# Altium PCB motherboard.PcbDoc (part 1 of 2) (continued)
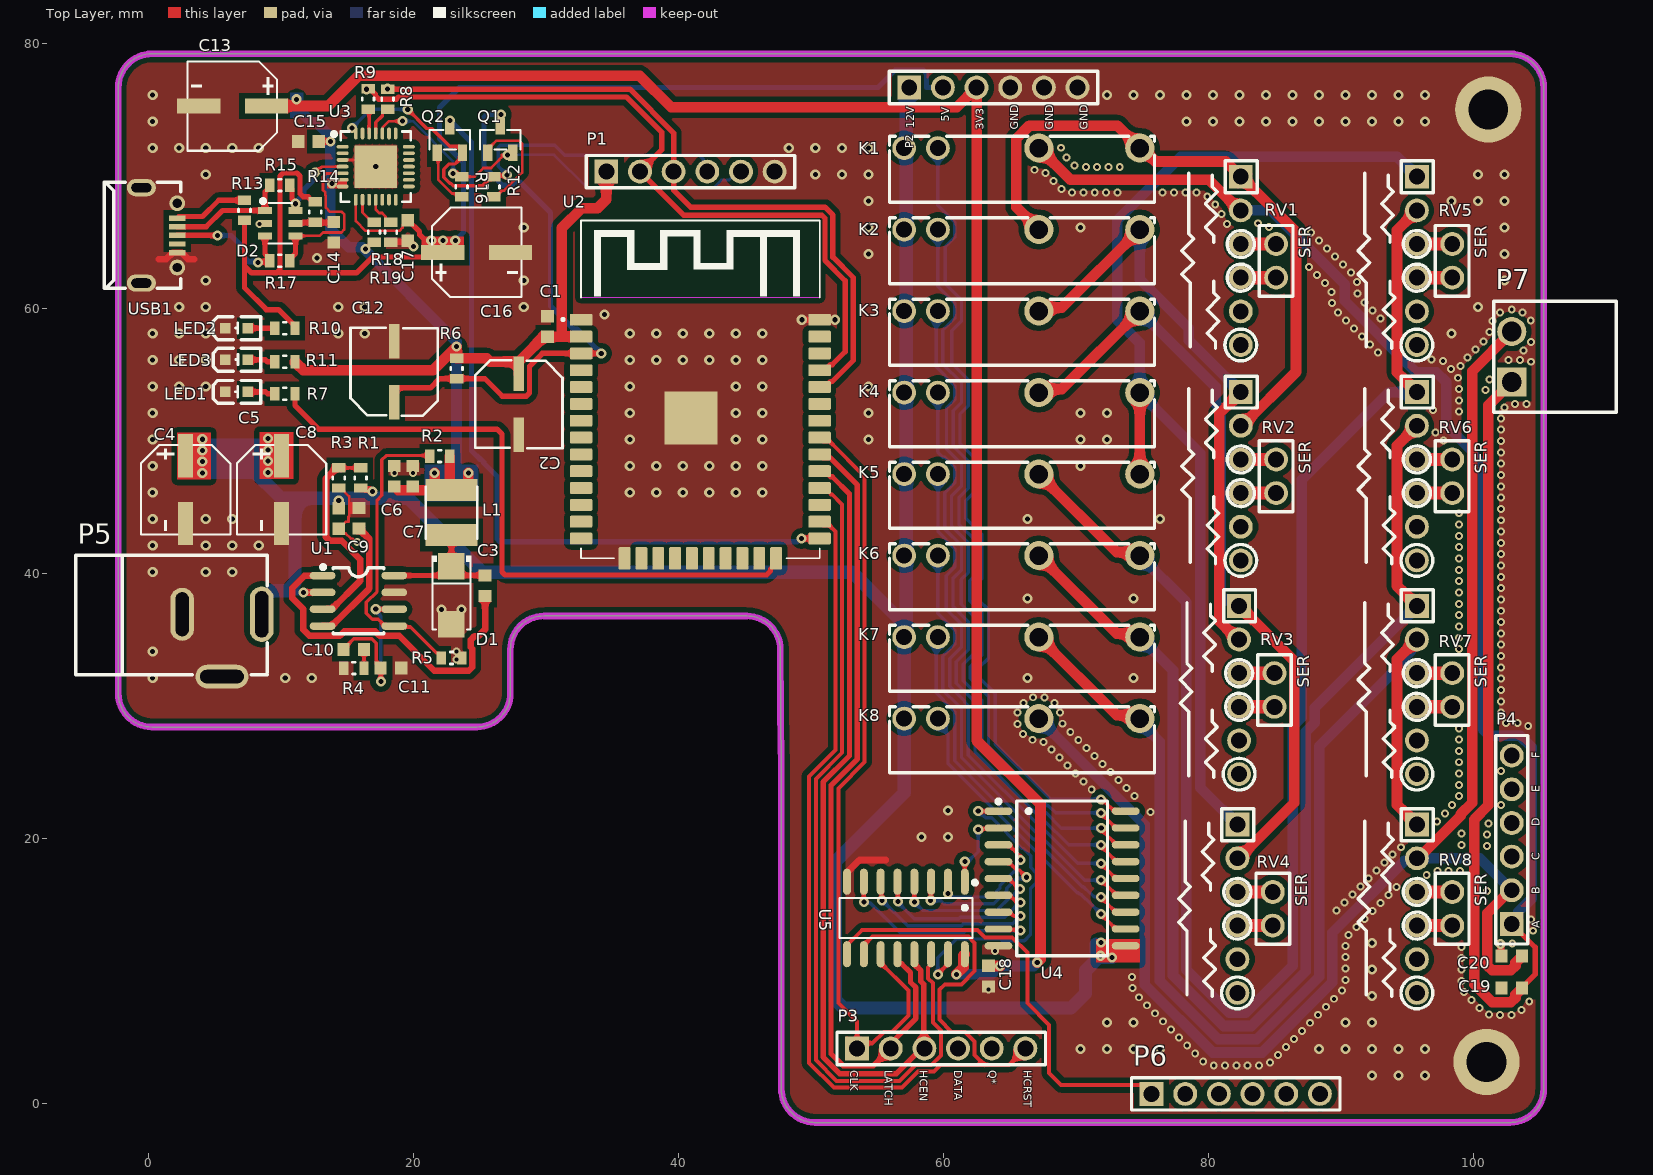
[diagram p0: Top Layer view]
## Part data (continued)
C12: library part "CAP 22UF 63V SMD", "CAP ALUM 22UF 20% 25V SMD", Capacitance=10uF, Case/Package=SMD/SMT, Dielectric Material=Aluminium, Leakage Current=3uA, Manufacturer=Nichicon, Manufacturer Part Number=UWX1E220MCL1GB, Max Operating Temperature=85°C, Min Operating Temperature=-40°C, Package Quantity=1000, Ripple Current=42mA, Supplier Part Number 1=493-2109-1-ND, Tolerance=20%, Voltage=25V, Category="Aluminum Electrolytic Capacitors", ComponentLink1Description=https://datasheet.ciiva.com/96/e-wx-96336.pdf?src-supplier=Digi-Key, ComponentLink1URL=https://datasheet.ciiva.com/96/e-wx-96336.pdf?src-supplier=Digi-Key, ComponentLink2Description=https://datasheet.ciiva.com/16352/e-wx-16352999.pdf?src-supplier=Future+Electronics, ComponentLink2URL=https://datasheet.ciiva.com/16352/e-wx-16352999.pdf?src-supplier=Future+Electronics, ComponentLink3Description=https://datasheet.ciiva.com/28640/e-wx-28640455.pdf?src-supplier=Element14, ComponentLink3URL=https://datasheet.ciiva.com/28640/e-wx-28640455.pdf?src-supplier=Element14, ComponentLink4Description=https://datasheet.ciiva.com/17529/e-wx-17529096.pdf?src-supplier=Avnet+Europe, ComponentLink4URL=https://datasheet.ciiva.com/17529/e-wx-17529096.pdf?src-supplier=Avnet+Europe, ComponentLink5Description=https://datasheet.ciiva.com/7851/59577-7851769.pdf?src-supplier=Element14, ComponentLink5URL=https://datasheet.ciiva.com/7851/59577-7851769.pdf?src-supplier=Element14, ComponentLink6Description=https://datasheet.ciiva.com/11687/e-wx-11687963.pdf?src-supplier=Avnet, ComponentLink6URL=https://datasheet.ciiva.com/11687/e-wx-11687963.pdf?src-supplier=Avnet, ComponentLink7Description=https://datasheet.ciiva.com/96/e-wx-96334.pdf?src-supplier=Digi-Key, ComponentLink7URL=https://datasheet.ciiva.com/96/e-wx-96334.pdf?src-supplier=Digi-Key, ComponentLink8Description=https://datasheet.ciiva.com/5361/e-wx-11809-5361166.pdf?src-supplier=Mouser, ComponentLink8URL=https://datasheet.ciiva.com/5361/e-wx-11809-5361166.pdf?src-supplier=Mouser, ComponentLink9Description=https://datasheet.ciiva.com/96/e-wx-96335.pdf?src-supplier=Digi-Key, ComponentLink9URL=https://datasheet.ciiva.com/96/e-wx-96335.pdf?src-supplier=Digi-Key, Construction=Cylindrical, Contact Plating=Tin, Diameter=6.3mm, Dissipation Factor=0.14%, Height=5.4mm, Height - Seated (Max)=0.213inch, Lead Free="Lead Free", Lead Pitch=2.2mm, Length=5.4mm, Life (Hours)=2000Hour, Mount="Surface Mount", Packaging="Tape and Reel", Polarity=Polar, Pricing 1="1=0,36000, 10=0,25200, 50=0,17620, 100=0,15110, 500=0,11334 (USD)", Radiation Hardening=No, REACH SVHC="No SVHC", Ripple Current (AC)=42mA, RoHS=Yes, RoHS Compliant=Yes, Series=WX, Stock 1=5009, Supplier 1=Digi-Key, Termination=SMD/SMT, Voltage Rating=25V, Voltage Rating (DC)=25V, Weight=0.01lb, Width=0.25inch
C13 C16: library part "CAP POL SMD", "CAP ALUM 22UF 20% 25V SMD", Capacitance=10uF, Case/Package=SMD/SMT, Dielectric Material=Aluminium, Leakage Current=3uA, Manufacturer=Nichicon, Manufacturer Part Number=UWX1E220MCL1GB, Max Operating Temperature=85°C, Min Operating Temperature=-40°C, Package Quantity=1000, Ripple Current=42mA, Supplier Part Number 1=493-2109-1-ND, Tolerance=20%, Voltage=25V, Category="Aluminum Electrolytic Capacitors", ComponentLink1Description=https://datasheet.ciiva.com/96/e-wx-96336.pdf?src-supplier=Digi-Key, ComponentLink1URL=https://datasheet.ciiva.com/96/e-wx-96336.pdf?src-supplier=Digi-Key, ComponentLink2Description=https://datasheet.ciiva.com/16352/e-wx-16352999.pdf?src-supplier=Future+Electronics, ComponentLink2URL=https://datasheet.ciiva.com/16352/e-wx-16352999.pdf?src-supplier=Future+Electronics, ComponentLink3Description=https://datasheet.ciiva.com/28640/e-wx-28640455.pdf?src-supplier=Element14, ComponentLink3URL=https://datasheet.ciiva.com/28640/e-wx-28640455.pdf?src-supplier=Element14, ComponentLink4Description=https://datasheet.ciiva.com/17529/e-wx-17529096.pdf?src-supplier=Avnet+Europe, ComponentLink4URL=https://datasheet.ciiva.com/17529/e-wx-17529096.pdf?src-supplier=Avnet+Europe, ComponentLink5Description=https://datasheet.ciiva.com/7851/59577-7851769.pdf?src-supplier=Element14, ComponentLink5URL=https://datasheet.ciiva.com/7851/59577-7851769.pdf?src-supplier=Element14, ComponentLink6Description=https://datasheet.ciiva.com/11687/e-wx-11687963.pdf?src-supplier=Avnet, ComponentLink6URL=https://datasheet.ciiva.com/11687/e-wx-11687963.pdf?src-supplier=Avnet, ComponentLink7Description=https://datasheet.ciiva.com/96/e-wx-96334.pdf?src-supplier=Digi-Key, ComponentLink7URL=https://datasheet.ciiva.com/96/e-wx-96334.pdf?src-supplier=Digi-Key, ComponentLink8Description=https://datasheet.ciiva.com/5361/e-wx-11809-5361166.pdf?src-supplier=Mouser, ComponentLink8URL=https://datasheet.ciiva.com/5361/e-wx-11809-5361166.pdf?src-supplier=Mouser, ComponentLink9Description=https://datasheet.ciiva.com/96/e-wx-96335.pdf?src-supplier=Digi-Key, ComponentLink9URL=https://datasheet.ciiva.com/96/e-wx-96335.pdf?src-supplier=Digi-Key, Construction=Cylindrical, Contact Plating=Tin, Diameter=6.3mm, Dissipation Factor=0.14%, Height=5.4mm, Height - Seated (Max)=0.213inch, Lead Free="Lead Free", Lead Pitch=2.2mm, Length=5.4mm, Life (Hours)=2000Hour, Mount="Surface Mount", Packaging="Tape and Reel", Polarity=Polar, Pricing 1="1=0,36000, 10=0,25200, 50=0,17620, 100=0,15110, 500=0,11334 (USD)", Radiation Hardening=No, REACH SVHC="No SVHC", Ripple Current (AC)=42mA, RoHS=Yes, RoHS Compliant=Yes, Series=WX, Stock 1=5009, Supplier 1=Digi-Key, Termination=SMD/SMT, Voltage Rating (DC)=25V, Weight=0.01lb, Width=0.25inch
D1: BOM_JLCPCB Part Class="Extended Part", BOM_Manufacturer=MDD, BOM_Manufacturer Part=B340A, BOM_Supplier=LCSC, BOM_Supplier Part=C64982, spicePre=D, spiceSymbolName=B340A
D2: BOM_JLCPCB Part Class="Extended Part", BOM_Manufacturer="TECH PUBLIC(台舟电子)", BOM_Manufacturer Part=USBLC6-2SC6, BOM_Supplier=LCSC, BOM_Supplier Part=C2827654, Contributor=LCSC, spicePre=D, spiceSymbolName=USBLC6-2SC6_C2827654
K1 K2 K3 K4 K5 K6 K7 K8: BOM_JLCPCB Part Class="Extended Part", BOM_Manufacturer="Xiamen Hongfa Electroacoustic", BOM_Manufacturer Part=HF49FD-012-1H12, BOM_Supplier=LCSC, BOM_Supplier Part=C117488, Contributor=LCSC, spicePre=K, spiceSymbolName=HF49FD-012-1H12
L1: library part L, "C393989"
LED1 LED2 LED3: BOM_JLCPCB Part Class="Extended Part", BOM_Manufacturer="Bright LED Elec", BOM_Manufacturer Part=BL-HJC36A-AV-TRB, BOM_Supplier=LCSC, BOM_Supplier Part=C138546, Contributor=LCSC, spicePre=L, spiceSymbolName=BL-HJC36A-AV-TRB
P1 P2 P3 P4 P6: library part "Header 6", "Header, 6-Pin", LatestRevisionDate=17-Jul-2002, LatestRevisionNote="Re-released for DXP Platform.", Publisher="Altium Limited", System=Connector
P5: BOM_JLCPCB Part Class="Extended Part", BOM_Manufacturer="XKB Enterprise", BOM_Manufacturer Part=DC-005-5A-2.0, BOM_Supplier=LCSC, BOM_Supplier Part=C381116, Contributor=LCSC, spicePre=D, spiceSymbolName=DC-005-5A-2.0
P7: "C8387", BOM_JLCPCB Part Class="Extended Part", BOM_Manufacturer=ReliaPro, BOM_Manufacturer Part=WJ15EDGRC-3.81-2P, BOM_Supplier=LCSC, BOM_Supplier Part=C8387, spicePre=X, spiceSymbolName=WJ15EDGRC-3.81-2P
Q1 Q2: library part SS8050_C2150, BOM_JLCPCB Part Class="Basic Part", BOM_Manufacturer=CJ, BOM_Manufacturer Part=SS8050, BOM_Supplier=LCSC, BOM_Supplier Part=C2150, spicePre=Q, spiceSymbolName=SS8050_C2150
R1: "Res Thick Film 0603 1M Ohm 1% 0.1W(1/10W) ±100ppm/C Pad SMD T/R", Case Code (Imperial)=0603, Manufacturer="TE Connectivity", Manufacturer Part Number=CRG0603F1M0, Max Operating Temperature=125°C, Max Power Dissipation=100mW, Min Operating Temperature=-55°C, Number of Resistors=1, Package Quantity=5000, Resistance=332k, Resistor Type="Thick Film", Supplier Part Number 1=A121559CT-ND, Temperature Coefficient=100ppm/°C, Tolerance=1%, Voltage Rating=50V, Case/Package=0603, Category="Chip SMD Resistors", Construction=Rectangular, Depth=0.8mm, ELV=Compliant, Height=0.45mm, Lead Free="Lead Free", Length=1.6mm, Military Standard=Not, Mount="Surface Mount", Number of Terminations=2, Packaging="Tape and Reel", Power Rating=100mW, Pricing 1="1=0,10000, 10=0,02800, 100=0,01130, 1000=0,00506, 2500=0,00439 (USD)", Radiation Hardening=No, RoHS=Yes, RoHS Compliant=Yes, Series="CRG, Neohm", Stock 1=32347, Supplier 1=Digi-Key, Technology="THICK FILM", Termination=Solder, Weight=7.1E-05oz, Width=0.8mm
R2: "Res Thick Film 0603 1M Ohm 1% 0.1W(1/10W) ±100ppm/C Pad SMD T/R", Case Code (Imperial)=0603, Manufacturer="TE Connectivity", Manufacturer Part Number=CRG0603F1M0, Max Operating Temperature=125°C, Max Power Dissipation=100mW, Min Operating Temperature=-55°C, Number of Resistors=1, Package Quantity=5000, Resistance=10.2k, Resistor Type="Thick Film", Supplier Part Number 1=A121559CT-ND, Temperature Coefficient=100ppm/°C, Tolerance=1%, Voltage Rating=50V, Case/Package=0603, Category="Chip SMD Resistors", Construction=Rectangular, Depth=0.8mm, ELV=Compliant, Height=0.45mm, Lead Free="Lead Free", Length=1.6mm, Military Standard=Not, Mount="Surface Mount", Number of Terminations=2, Packaging="Tape and Reel", Power Rating=100mW, Pricing 1="1=0,10000, 10=0,02800, 100=0,01130, 1000=0,00506, 2500=0,00439 (USD)", Radiation Hardening=No, RoHS=Yes, RoHS Compliant=Yes, Series="CRG, Neohm", Stock 1=32347, Supplier 1=Digi-Key, Technology="THICK FILM", Termination=Solder, Weight=7.1E-05oz, Width=0.8mm
R3: "Res Thick Film 0603 1M Ohm 1% 0.1W(1/10W) ±100ppm/C Pad SMD T/R", Case Code (Imperial)=0603, Manufacturer="TE Connectivity", Manufacturer Part Number=CRG0603F1M0, Max Operating Temperature=125°C, Max Power Dissipation=100mW, Min Operating Temperature=-55°C, Number of Resistors=1, Package Quantity=5000, Resistance=68.1k, Resistor Type="Thick Film", Supplier Part Number 1=A121559CT-ND, Temperature Coefficient=100ppm/°C, Tolerance=1%, Voltage Rating=50V, Case/Package=0603, Category="Chip SMD Resistors", Construction=Rectangular, Depth=0.8mm, ELV=Compliant, Height=0.45mm, Lead Free="Lead Free", Length=1.6mm, Military Standard=Not, Mount="Surface Mount", Number of Terminations=2, Packaging="Tape and Reel", Power Rating=100mW, Pricing 1="1=0,10000, 10=0,02800, 100=0,01130, 1000=0,00506, 2500=0,00439 (USD)", Radiation Hardening=No, RoHS=Yes, RoHS Compliant=Yes, Series="CRG, Neohm", Stock 1=32347, Supplier 1=Digi-Key, Technology="THICK FILM", Termination=Solder, Weight=7.1E-05oz, Width=0.8mm
R4: "Res Thick Film 0603 1M Ohm 1% 0.1W(1/10W) ±100ppm/C Pad SMD T/R", Case Code (Imperial)=0603, Manufacturer="TE Connectivity", Manufacturer Part Number=CRG0603F1M0, Max Operating Temperature=125°C, Max Power Dissipation=100mW, Min Operating Temperature=-55°C, Number of Resistors=1, Package Quantity=5000, Resistance=29.4k, Resistor Type="Thick Film", Supplier Part Number 1=A121559CT-ND, Temperature Coefficient=100ppm/°C, Tolerance=1%, Voltage Rating=50V, Case/Package=0603, Category="Chip SMD Resistors", Construction=Rectangular, Depth=0.8mm, ELV=Compliant, Height=0.45mm, Lead Free="Lead Free", Length=1.6mm, Military Standard=Not, Mount="Surface Mount", Number of Terminations=2, Packaging="Tape and Reel", Power Rating=100mW, Pricing 1="1=0,10000, 10=0,02800, 100=0,01130, 1000=0,00506, 2500=0,00439 (USD)", Radiation Hardening=No, RoHS=Yes, RoHS Compliant=Yes, Series="CRG, Neohm", Stock 1=32347, Supplier 1=Digi-Key, Technology="THICK FILM", Termination=Solder, Weight=7.1E-05oz, Width=0.8mm
R5: "Res Thick Film 0603 1M Ohm 1% 0.1W(1/10W) ±100ppm/C Pad SMD T/R", Case Code (Imperial)=0603, Manufacturer="TE Connectivity", Manufacturer Part Number=CRG0603F1M0, Max Operating Temperature=125°C, Max Power Dissipation=100mW, Min Operating Temperature=-55°C, Number of Resistors=1, Package Quantity=5000, Resistance=3.24k, Resistor Type="Thick Film", Supplier Part Number 1=A121559CT-ND, Temperature Coefficient=100ppm/°C, Tolerance=1%, Voltage Rating=50V, Case/Package=0603, Category="Chip SMD Resistors", Construction=Rectangular, Depth=0.8mm, ELV=Compliant, Height=0.45mm, Lead Free="Lead Free", Length=1.6mm, Military Standard=Not, Mount="Surface Mount", Number of Terminations=2, Packaging="Tape and Reel", Power Rating=100mW, Pricing 1="1=0,10000, 10=0,02800, 100=0,01130, 1000=0,00506, 2500=0,00439 (USD)", Radiation Hardening=No, RoHS=Yes, RoHS Compliant=Yes, Series="CRG, Neohm", Stock 1=32347, Supplier 1=Digi-Key, Technology="THICK FILM", Termination=Solder, Weight=7.1E-05oz, Width=0.8mm
R6: "Res Thick Film 0603 1M Ohm 1% 0.1W(1/10W) ±100ppm/C Pad SMD T/R", Case Code (Imperial)=0603, Manufacturer="TE Connectivity", Manufacturer Part Number=CRG0603F1M0, Max Operating Temperature=125°C, Max Power Dissipation=100mW, Min Operating Temperature=-55°C, Number of Resistors=1, Package Quantity=5000, Resistance=3.3k, Resistor Type="Thick Film", Supplier Part Number 1=A121559CT-ND, Temperature Coefficient=100ppm/°C, Tolerance=1%, Voltage Rating=50V, Case/Package=0603, Category="Chip SMD Resistors", Construction=Rectangular, Depth=0.8mm, ELV=Compliant, Height=0.45mm, Lead Free="Lead Free", Length=1.6mm, Military Standard=Not, Mount="Surface Mount", Number of Terminations=2, Packaging="Tape and Reel", Power Rating=100mW, Pricing 1="1=0,10000, 10=0,02800, 100=0,01130, 1000=0,00506, 2500=0,00439 (USD)", Radiation Hardening=No, RoHS=Yes, RoHS Compliant=Yes, Series="CRG, Neohm", Stock 1=32347, Supplier 1=Digi-Key, Technology="THICK FILM", Termination=Solder, Weight=7.1E-05oz, Width=0.8mm
R7 R11: "Res Thick Film 0603 1M Ohm 1% 0.1W(1/10W) ±100ppm/C Pad SMD T/R", Case Code (Imperial)=0603, Manufacturer="TE Connectivity", Manufacturer Part Number=CRG0603F1M0, Max Operating Temperature=125°C, Max Power Dissipation=100mW, Min Operating Temperature=-55°C, Number of Resistors=1, Package Quantity=5000, Resistance=220, Resistor Type="Thick Film", Supplier Part Number 1=A121559CT-ND, Temperature Coefficient=100ppm/°C, Tolerance=1%, Voltage Rating=50V, Case/Package=0603, Category="Chip SMD Resistors", Construction=Rectangular, Depth=0.8mm, ELV=Compliant, Height=0.45mm, Lead Free="Lead Free", Length=1.6mm, Military Standard=Not, Mount="Surface Mount", Number of Terminations=2, Packaging="Tape and Reel", Power Rating=100mW, Pricing 1="1=0,10000, 10=0,02800, 100=0,01130, 1000=0,00506, 2500=0,00439 (USD)", Radiation Hardening=No, RoHS=Yes, RoHS Compliant=Yes, Series="CRG, Neohm", Stock 1=32347, Supplier 1=Digi-Key, Technology="THICK FILM", Termination=Solder, Weight=7.1E-05oz, Width=0.8mm
R8 R9 R13 R14 R15 R17: "Res Thick Film 0603 1M Ohm 1% 0.1W(1/10W) ±100ppm/C Pad SMD T/R", Case Code (Imperial)=0603, Manufacturer="TE Connectivity", Manufacturer Part Number=CRG0603F1M0, Max Operating Temperature=125°C, Max Power Dissipation=100mW, Min Operating Temperature=-55°C, Number of Resistors=1, Package Quantity=5000, Resistance=0, Resistor Type="Thick Film", Supplier Part Number 1=A121559CT-ND, Temperature Coefficient=100ppm/°C, Tolerance=1%, Voltage Rating=50V, Case/Package=0603, Category="Chip SMD Resistors", Construction=Rectangular, Depth=0.8mm, ELV=Compliant, Height=0.45mm, Lead Free="Lead Free", Length=1.6mm, Military Standard=Not, Mount="Surface Mount", Number of Terminations=2, Packaging="Tape and Reel", Power Rating=100mW, Pricing 1="1=0,10000, 10=0,02800, 100=0,01130, 1000=0,00506, 2500=0,00439 (USD)", Radiation Hardening=No, RoHS=Yes, RoHS Compliant=Yes, Series="CRG, Neohm", Stock 1=32347, Supplier 1=Digi-Key, Technology="THICK FILM", Termination=Solder, Weight=7.1E-05oz, Width=0.8mm
R10: "Res Thick Film 0603 1M Ohm 1% 0.1W(1/10W) ±100ppm/C Pad SMD T/R", Case Code (Imperial)=0603, Manufacturer="TE Connectivity", Manufacturer Part Number=CRG0603F1M0, Max Operating Temperature=125°C, Max Power Dissipation=100mW, Min Operating Temperature=-55°C, Number of Resistors=1, Package Quantity=5000, Resistance=330, Resistor Type="Thick Film", Supplier Part Number 1=A121559CT-ND, Temperature Coefficient=100ppm/°C, Tolerance=1%, Voltage Rating=50V, Case/Package=0603, Category="Chip SMD Resistors", Construction=Rectangular, Depth=0.8mm, ELV=Compliant, Height=0.45mm, Lead Free="Lead Free", Length=1.6mm, Military Standard=Not, Mount="Surface Mount", Number of Terminations=2, Packaging="Tape and Reel", Power Rating=100mW, Pricing 1="1=0,10000, 10=0,02800, 100=0,01130, 1000=0,00506, 2500=0,00439 (USD)", Radiation Hardening=No, RoHS=Yes, RoHS Compliant=Yes, Series="CRG, Neohm", Stock 1=32347, Supplier 1=Digi-Key, Technology="THICK FILM", Termination=Solder, Weight=7.1E-05oz, Width=0.8mm
R12 R16: library part 1, "Res Thkflm Anti-sulfurated 0603 100K Ohm 5% SMD", Case Code (Imperial)=0603, Case Code (Metric)=1608, Current Rating=1A, Manufacturer=Panasonic, Manufacturer Part Number=ERJ-U03J104V, Max Operating Temperature=155°C, Min Operating Temperature=-55°C, Package Quantity=5000, Power Rating=100mW, Resistance=12K, Resistor Type="Thick Film", Supplier Part Number 1=10-ERJ-U03J104VCT-ND, Tolerance=5%, Voltage Rating=75V, Case/Package=0603, Category="Chip SMD Resistors", ComponentLink1Description=http://industrial.panasonic.com/www-cgi/jvcr13pz.cgi?E+PZ+3+AOA0005+ERJS06J821V+7+WW?src-supplier=Mouser, ComponentLink1URL=http://industrial.panasonic.com/www-cgi/jvcr13pz.cgi?E+PZ+3+AOA0005+ERJS06J821V+7+WW?src-supplier=Mouser, ComponentLink2Description=http://datasheet.octopart.com/ERJ-U03J104V-Panasonic-datasheet-61627662.pdf?src-supplier=Newark, ComponentLink2URL=http://datasheet.octopart.com/ERJ-U03J104V-Panasonic-datasheet-61627662.pdf?src-supplier=Newark, ComponentLink3Description=http://datasheet.octopart.com/ERJ-U03J104V-Panasonic-datasheet-33006993.pdf?src-supplier=Newark, ComponentLink3URL=http://datasheet.octopart.com/ERJ-U03J104V-Panasonic-datasheet-33006993.pdf?src-supplier=Newark, ComponentLink4Description=http://datasheet.octopart.com/ERJ-U03J104V-Panasonic-datasheet-78375410.pdf, ComponentLink4URL=http://datasheet.octopart.com/ERJ-U03J104V-Panasonic-datasheet-78375410.pdf, Height=0.45mm, Length=1.6mm, Packaging="Tape and Reel", Pricing 1="1=0,10000, 10=0,07700, 100=0,02950, 1000=0,01298, 2500=0,01121 (USD)", Stock 1=1856, Supplier 1=Digi-Key, Termination=SMD/SMT, Voltage Rating (DC)=75V, Weight=7.1E-05oz, Width=0.8mm
R18: "Res Thick Film 0603 1M Ohm 1% 0.1W(1/10W) ±100ppm/C Pad SMD T/R", Case Code (Imperial)=0603, Manufacturer="TE Connectivity", Manufacturer Part Number=CRG0603F1M0, Max Operating Temperature=125°C, Max Power Dissipation=100mW, Min Operating Temperature=-55°C, Number of Resistors=1, Package Quantity=5000, Resistance=2K, Resistor Type="Thick Film", Supplier Part Number 1=A121559CT-ND, Temperature Coefficient=100ppm/°C, Tolerance=1%, Voltage Rating=50V, Case/Package=0603, Category="Chip SMD Resistors", Construction=Rectangular, Depth=0.8mm, ELV=Compliant, Height=0.45mm, Lead Free="Lead Free", Length=1.6mm, Military Standard=Not, Mount="Surface Mount", Number of Terminations=2, Packaging="Tape and Reel", Power Rating=100mW, Pricing 1="1=0,10000, 10=0,02800, 100=0,01130, 1000=0,00506, 2500=0,00439 (USD)", Radiation Hardening=No, RoHS=Yes, RoHS Compliant=Yes, Series="CRG, Neohm", Stock 1=32347, Supplier 1=Digi-Key, Technology="THICK FILM", Termination=Solder, Weight=7.1E-05oz, Width=0.8mm
R19: "Res Thick Film 0603 1M Ohm 1% 0.1W(1/10W) ±100ppm/C Pad SMD T/R", Case Code (Imperial)=0603, Manufacturer="TE Connectivity", Manufacturer Part Number=CRG0603F1M0, Max Operating Temperature=125°C, Max Power Dissipation=100mW, Min Operating Temperature=-55°C, Number of Resistors=1, Package Quantity=5000, Resistance=10k, Resistor Type="Thick Film", Supplier Part Number 1=A121559CT-ND, Temperature Coefficient=100ppm/°C, Tolerance=1%, Voltage Rating=50V, Case/Package=0603, Category="Chip SMD Resistors", Construction=Rectangular, Depth=0.8mm, ELV=Compliant, Height=0.45mm, Lead Free="Lead Free", Length=1.6mm, Military Standard=Not, Mount="Surface Mount", Number of Terminations=2, Packaging="Tape and Reel", Power Rating=100mW, Pricing 1="1=0,10000, 10=0,02800, 100=0,01130, 1000=0,00506, 2500=0,00439 (USD)", Radiation Hardening=No, RoHS=Yes, RoHS Compliant=Yes, Series="CRG, Neohm", Stock 1=32347, Supplier 1=Digi-Key, Technology="THICK FILM", Termination=Solder, Weight=7.1E-05oz, Width=0.8mm
RV1 RV2 RV3 RV4 RV5 RV6 RV7 RV8: "Placeholder for resistor", Case Code (Imperial)=0603, Case Code (Metric)=1608, Current Rating=1A, Manufacturer=Panasonic, Manufacturer Part Number=ERJ-U03J104V, Max Operating Temperature=155°C, Min Operating Temperature=-55°C, Package Quantity=5000, Power Rating=100mW, Resistor Type="Thick Film", Tolerance=5%, Voltage Rating=75V, Case/Package=0603, Category="Chip SMD Resistors", ComponentLink1Description=http://industrial.panasonic.com/www-cgi/jvcr13pz.cgi?E+PZ+3+AOA0005+ERJS06J821V+7+WW?src-supplier=Mouser, ComponentLink1URL=http://industrial.panasonic.com/www-cgi/jvcr13pz.cgi?E+PZ+3+AOA0005+ERJS06J821V+7+WW?src-supplier=Mouser, ComponentLink2Description=http://datasheet.octopart.com/ERJ-U03J104V-Panasonic-datasheet-61627662.pdf?src-supplier=Newark, ComponentLink2URL=http://datasheet.octopart.com/ERJ-U03J104V-Panasonic-datasheet-61627662.pdf?src-supplier=Newark, ComponentLink3Description=http://datasheet.octopart.com/ERJ-U03J104V-Panasonic-datasheet-33006993.pdf?src-supplier=Newark, ComponentLink3URL=http://datasheet.octopart.com/ERJ-U03J104V-Panasonic-datasheet-33006993.pdf?src-supplier=Newark, ComponentLink4Description=http://datasheet.octopart.com/ERJ-U03J104V-Panasonic-datasheet-78375410.pdf, ComponentLink4URL=http://datasheet.octopart.com/ERJ-U03J104V-Panasonic-datasheet-78375410.pdf, Height=0.45mm, Length=1.6mm, Packaging="Tape and Reel", Pricing 1="1=0,10000, 10=0,07700, 100=0,02950, 1000=0,01298, 2500=0,01121 (USD)", Stock 1=1856, Termination=SMD/SMT, Voltage Rating (DC)=75V, Weight=7.1E-05oz, Width=0.8mm
U1 U4: BOM_JLCPCB Part Class="Basic Part", BOM_Manufacturer=TI, BOM_Supplier=LCSC
  U1: BOM_Manufacturer Part=TPS54331DR, BOM_Supplier Part=C9865, spicePre=U, spiceSymbolName=TPS54331DR
  U4: BOM_Manufacturer Part=ULN2803ADWR, BOM_Supplier Part=C9683, spicePre=X, spiceSymbolName=ULN2803ADWR
U2: library part "ESP 32", "ESP 32"
U3: BOM_JLCPCB Part Class="Basic Part", BOM_Manufacturer="SILICON LABS", BOM_Manufacturer Part=CP2102-GMR, BOM_Supplier=LCSC, BOM_Supplier Part=C6568, spicePre=U, spiceSymbolName=CP2102-GMR
U5: BOM_JLCPCB Part Class="Extended Part", BOM_Manufacturer=Nexperia, BOM_Manufacturer Part=74HCT595D,118, BOM_Supplier=LCSC, BOM_Supplier Part=C282339, Contributor=LCSC, spicePre=U, spiceSymbolName=74HCT595D,118
USB1: BOM_JLCPCB Part Class="Extended Part", BOM_Manufacturer=ValuePro, BOM_Manufacturer Part="micro USBFemale", BOM_Supplier=LCSC, BOM_Supplier Part=C10418, spicePre=U, spiceSymbolName="micro USBFemale"

## Free pads (board coordinates)
  round 5 hole 3: MH(100.965,3.175) MH(101.102,75.048)

## Via types
v1: diameter 0.6, hole 0.3, Top Layer to Bottom Layer, tented both sides, 239 vias
v2: diameter 0.762, hole 0.381, Top Layer to Bottom Layer, tented both sides, 236 vias

## Nets (pads, with @x,y where several pads share a name; then routed paths per layer and width w, separated by ;. In a path a pad name is that pad's centre, name@x,y a point inside that pad or via, vN(x,y) a via of type N, cw(c..) or ccw(c..) an arc to the next point about the centre after c; other vN are vias at no path point)
1C: K1.2 U4.18 | length 61.9
  Top Layer w0.254: v2(71.887,22.992) 71.988,22.992 72.882,22.098 U4.18@73.735,22.098
  Bottom Layer w0.254: K1.2@59.563,72.136 59.563,67.818 60.844,66.537 60.844,65.416 60.113,64.685 60.113,61.891 61.352,60.651 61.352,59.094 60.599,58.341 60.599,55.9 61.86,54.639 61.86,52.694 61.236,52.07 61.236,49.828 62.368,48.696 62.368,46.243 61.664,45.539 61.664,44.196 62.876,42.984 62.876,39.635 62.611,39.37 62.611,38.056 63.384,37.283 63.384,33.651 62.611,32.878 62.611,32.258 63.892,30.977 63.892,27.167 68.041,23.018 71.861,23.018 v2(71.887,22.992)
2C: K2.2 U4.17 | length 56.4
  Top Layer w0.254: v2(71.882,21.971) 71.882,21.941 72.995,20.828 U4.17@73.735,20.828
  Bottom Layer w0.254: K2.2@59.563,65.986 59.563,61.722 60.844,60.441 60.844,59.305 59.944,58.405 59.944,55.836 61.352,54.428 61.352,52.944 60.728,52.319 60.728,49.618 61.86,48.486 61.86,46.453 61.156,45.75 61.156,43.757 62.368,42.546 62.368,39.893 61.976,39.501 61.976,37.973 62.876,37.073 62.876,33.861 62.005,32.991 62.005,32.131 63.384,30.753 63.384,26.957 67.831,22.51 67.909,22.51 68.447,21.971 v2(71.882,21.971)
3C: K3.2 U4.16 | length 50.8
  Top Layer w0.254: v2(71.895,20.821) 71.895,20.711 73.048,19.558 U4.16@73.735,19.558
  Bottom Layer w0.254: K3.2@59.563,59.835 59.436,59.708 59.436,55.626 60.844,54.218 60.844,53.154 60.22,52.53 60.22,49.407 ; 60.221,49.407 61.352,48.275 61.352,46.664 60.594,45.906 60.594,43.601 61.86,42.335 61.86,40.103 61.341,39.584 61.341,37.719 62.368,36.692 62.368,34.072 61.468,33.172 61.468,31.95 62.738,30.68 62.738,30.593 62.876,30.455 62.876,26.746 67.62,22.002 67.698,22.002 68.879,20.821 v2(71.895,20.821)
4C: K4.2 U4.15 | length 45.2
  Top Layer w0.254: v2(71.882,19.558) 71.882,19.454 73.048,18.288 U4.15@73.735,18.288
  Bottom Layer w0.254: K4.2@59.563,53.685 59.563,49.196 59.944,48.815 60.094,48.815 60.844,48.065 60.844,46.874 60.086,46.116 60.086,43.39 61.352,42.125 61.352,40.314 60.706,39.668 60.706,37.548 61.86,36.394 61.86,34.282 60.96,33.382 60.96,31.74 62.23,30.47 62.23,30.383 62.368,30.245 62.368,26.536 67.41,21.494 67.488,21.494 69.423,19.558 v2(71.882,19.558)
5C: K5.2 U4.14 | length 39.2
  Top Layer w0.254: v2(71.882,18.161) 71.882,18.131 72.995,17.018 U4.14@73.735,17.018
  Bottom Layer w0.254: K5.2@59.563,47.534 59.578,47.519 59.578,43.18 60.844,41.914 60.844,40.524 60.198,39.878 60.198,37.338 61.352,36.184 61.352,34.492 60.452,33.592 60.452,31.53 61.595,30.387 61.595,30.299 61.86,30.034 61.86,26.325 67.2,20.986 67.277,20.986 70.102,18.161 v2(71.882,18.161)
6C: K6.2 U4.13 | length 33.4
  Top Layer w0.254: v2(71.882,16.891) 73.012,15.818 ccw(c73.187,16.002) 73.187,15.748 U4.13@73.735,15.748
  Bottom Layer w0.254: K6.2@59.563,41.384 59.563,37.045 60.844,35.764 60.844,34.703 59.944,33.803 59.944,31.232 61.087,30.089 61.352,29.824 61.352,26.115 66.989,20.478 67.067,20.478 70.654,16.891 v2(71.882,16.891)
7C: K7.2 U4.12 | length 27.6
  Top Layer w0.254: v2(71.882,15.621) 71.882,15.591 72.995,14.478 U4.12@73.735,14.478
  Bottom Layer w0.254: K7.2@59.563,35.233 59.436,35.106 59.436,31.022 60.579,29.879 60.844,29.614 60.844,25.904 66.779,19.97 66.856,19.97 70.443,16.383 70.536,16.383 70.605,16.329 70.621,16.316 71.308,15.688 ccw(c71.479,15.875) 71.479,15.621 v2(71.882,15.621)
8C: K8.2 U4.11 | length 22.3
  Top Layer w0.254: v2(71.882,14.351) 71.882,14.321 72.995,13.208 U4.11@73.735,13.208
  Bottom Layer w0.254: K8.2@59.563,29.083 59.563,28.665 60.325,27.903 60.325,25.705 70.081,15.949 70.159,15.949 70.233,15.875 70.4,15.803 v2(71.882,14.351)
+3V3: C1.1 C2.1 C6.1 C7.1 C13.1 C15.1 C18.1 L1.2 P1.1 P2.3 R2.1 R6.1 R11.2 R18.1 U2.1 U3.6 U3.7 U5.16 | length 221.2
  Top Layer w0.4: C15.1@12.84,72.644 v2(13.716,72.644) ; v2(16.383,64.516) 16.383,64.542 16.865,65.024 R18.1@17.018,65.024
  Top Layer w0.8: C13.1@8.89,75.311 13.564,75.311 15.845,77.592 37.053,77.592 39.437,75.208 60.984,75.208 P2.3@62.484,76.708 62.484,27.432 67.31,22.606 67.31,10.922 v2(67.065,10.677) ; R11.2@11.049,56.007 11.049,55.943 11.093,55.899 11.157,55.899 11.684,55.372 21.463,55.372 v2(23.241,57.15) R6.1@23.241,56.261 25.523,56.261 25.766,56.018 C2.1@27.94,56.018 ; C6.1@18.542,46.596 18.567,46.596 18.837,46.326 L1.2@22.015,46.326 ; v2(21.59,47.625) 21.59,46.751 L1.2@22.015,46.326 ; R2.1@22.733,48.895 22.733,46.453 L1.2@22.86,46.326 ; v2(24.13,47.625) 24.13,46.751 23.705,46.326 L1.2@22.86,46.326 ; C2.1@27.94,55.118 C2.1@27.94,56.018 ; C1.1@30.099,57.899 30.124,57.899 C1.1@30.191,57.832 ; U2.1@32.639,57.912 31.189,57.912 ; P1.1@34.544,70.358 34.544,68.258 33.878,67.592 32.679,67.592 31.189,66.101 31.189,57.912 ; v2(60.96,9.779) 61.496,10.315 61.496,11.204 U5.16@61.595,11.303 ; C18.1@63.373,10.427 63.386,10.414 v2(64.262,10.414) ; L1.2@22.015,46.326 L1.2@22.86,46.326 ; C2.1@27.94,56.018 29.754,57.832 C1.1@30.191,57.832 ; C1.1@30.191,57.832 30.509,57.832 30.589,57.912 31.189,57.912
  Bottom Layer w0.8: 11.314,75.066 12.334,74.046 12.695,74.046 13.716,73.025 v2(13.716,72.644) 13.716,69.596 v2(13.843,69.469) 13.716,69.342 13.716,66.04 15.113,64.643 16.129,64.643 23.241,57.531 v2(23.241,57.15) 23.241,47.244 22.86,46.863 ; 23.368,47.117 23.876,47.625 v2(24.13,47.625) ; v2(60.96,9.779) 63.627,9.779 v2(64.262,10.414) 66.802,10.414 v2(67.065,10.677)
  other v2: 11.176,75.819
+5V: C16.1 C17.1 P2.2 R10.2 R13.1 R14.1 U3.8 | length 99.8
  Top Layer w0.2: U3.8@15.644,68.239 15.644,66.634 16.386,65.892 18.92,65.892 19.173,66.145 19.173,66.328 C17.1@19.533,66.688
  Top Layer w0.4: R13.1@7.239,66.675 7.239,63.246 ; R10.2@11.049,58.547 11.049,58.699 9.804,59.944 8.89,59.944 7.239,61.595 7.239,63.246 ; R14.1@12.573,68.072 12.421,68.072 12.04,68.453 11.671,68.453 11.424,68.701 11.424,70.016 11.189,70.25 10.147,70.25 9.912,70.016 9.912,62.966 9.795,62.849 ; C17.1@19.533,66.688 C17.1@19.558,66.688 19.583,66.688 20.443,65.828 20.443,65.604 20.896,65.151 v2(21.336,65.151) ; C16.1@22.195,64.262 21.853,63.92 16.892,63.92 15.691,62.719 9.925,62.719 9.795,62.849 ; 7.239,63.246 7.766,62.719 9.665,62.719 9.795,62.849
  Bottom Layer w0.4: v2(21.336,65.151) v2(22.225,65.151) 23.131,65.151 v2(23.147,65.166) 23.768,65.788 23.768,71.046 21.952,72.862 21.952,75.204 23.456,76.708 55.038,76.708 56.338,78.008 58.47,78.008 58.704,77.774 58.704,76.719 58.711,76.713 59.939,76.713 P2.2@59.944,76.708